# Altium PCB Velotour_2022_V1.0.PcbDoc (part 3 of 3)
Units mil, origin at the board's own origin, x right, y up, seen from the top; angles counter-clockwise.
Board outline 6692.91 x 4763.78 mil, 2 copper layers (Top Layer, Bottom Layer), stack 60.932 mil thick; 156 components, 71 nets, 485 pads, 733 vias.
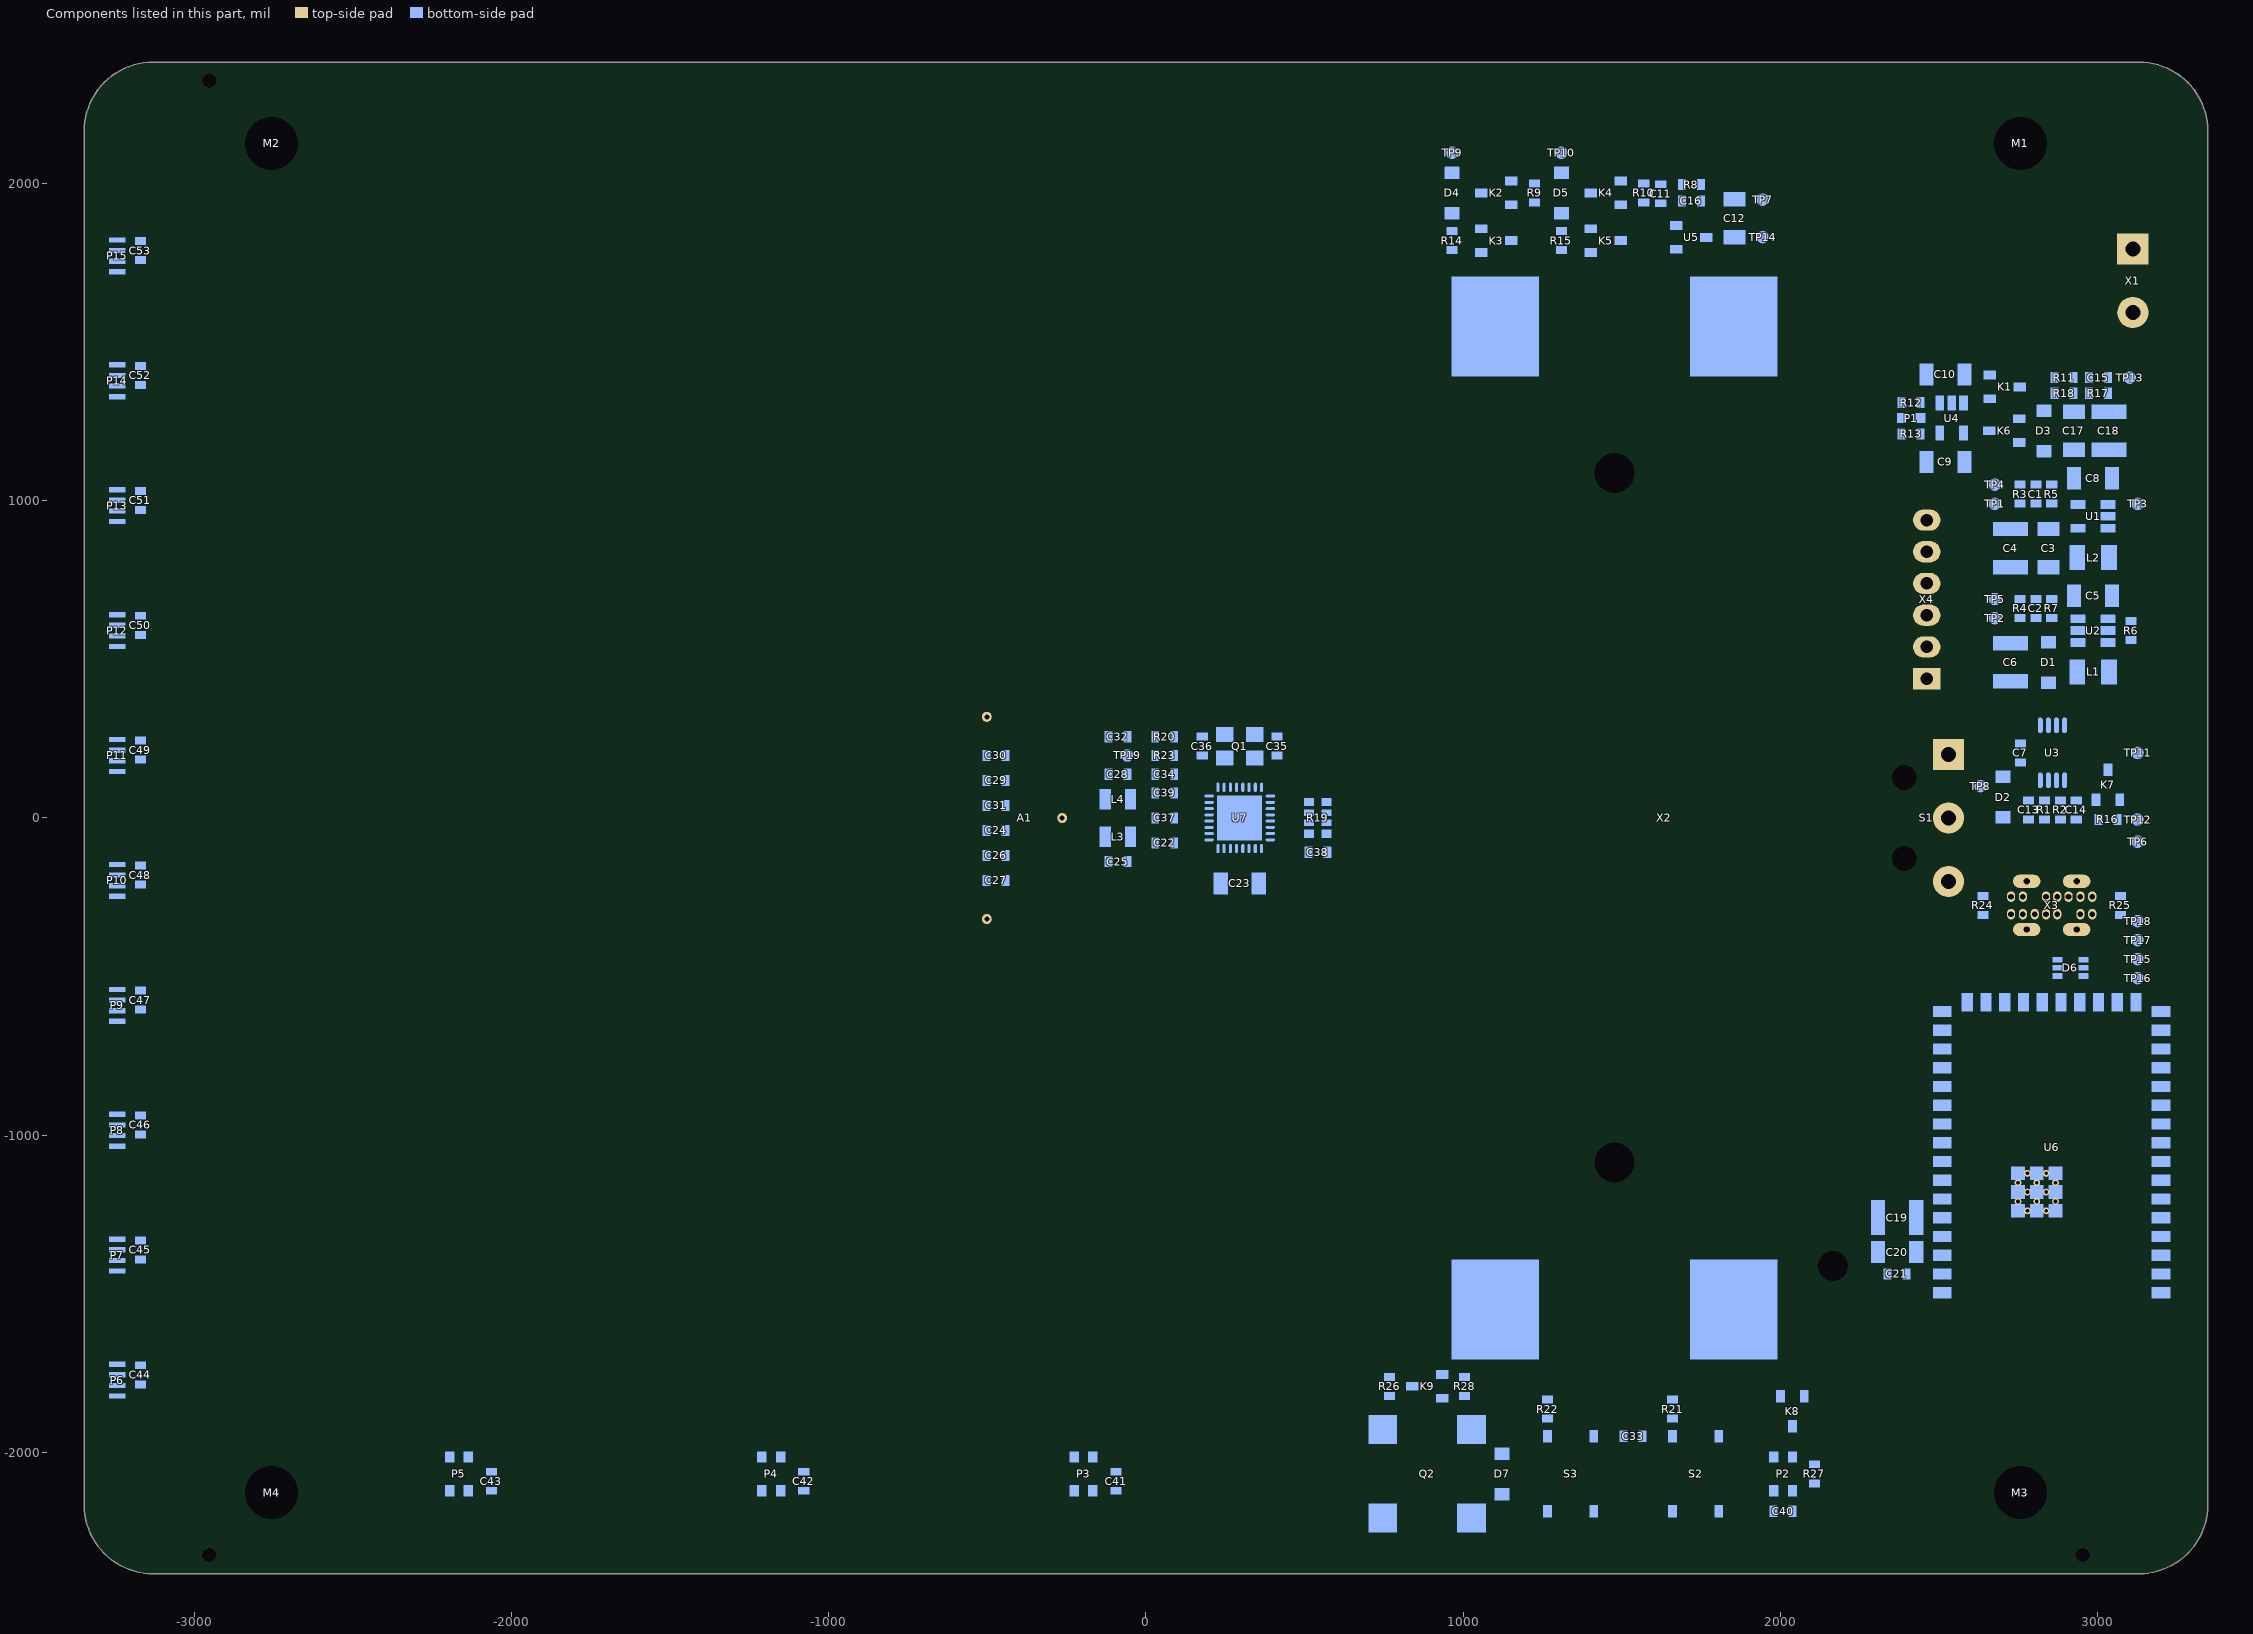
[diagram p3: the components of this part, seen from the top]

## Silkscreen, mask and mechanical layers (free items; w line width, h text height) (continued)
Mechanical 16:
  lines w5: -5593.7,-2440.95 -5393.7,-2440.95 ; -5593.7,-511.81 -5393.7,-511.81 ; -5593.7,1377.95 -5393.7,1377.95 ; -3109.25,-4330.71 -3109.25,-4130.71 ; -3109.25,3069.29 -3109.25,3269.29 ; -584.25,-4130.71 815.75,-4130.71 ; -234.25,-4330.71 -234.25,-4130.71 ; -234.25,3069.29 -234.25,3269.29 ; 815.75,-3830.71 5315.75,-3830.71 ; 815.75,-3530.71 5315.75,-3530.71 ; 815.75,-3230.71 2315.75,-3230.71 ; 2315.75,-4130.71 2315.75,-3530.71 2315.75,-2930.71 ; 2640.75,-4330.71 2640.75,-4130.71 ; 2640.75,3069.29 2640.75,3269.29 ; 4415.75,-4130.71 4415.75,-3530.71 ; 5315.75,-2430.71 5515.75,-2430.71 ; 5315.75,-530.71 5515.75,-530.71 ; 5315.75,1369.29 5515.75,1369.29 ; 815.75,-4130.71 815.75,-2930.71 2315.75,-2930.71 ; 815.75,-4130.71 5315.75,-4130.71 ; 2315.75,-2930.71 5315.75,-2930.71 5315.75,-4130.71 ; 5315.75,-4130.71 5315.75,3069.29 -5393.7,3070.87 -5393.7,-4133.86 5315.75,-4130.71 ; -5590.55,-4330.71 -5590.55,3267.72 5515.75,3269.29 5515.75,-4330.71 -5590.55,-4330.71
  text "1" at -4557.25,3134.29 h70
  text "2" at -1697.25,3134.29 h70
  text "3" at 1182.75,3134.29 h70
  text "4" at 4052.75,3134.29 h70
  text "A" at -5551.18,2244.09 h70
  text "A" at 5390.75,2228.29 h70
  text "B" at -5511.81,354.33 h70
  text "B" at 5390.75,336.29 h70
  text "C" at 5390.75,-1573.71 h70
  text "C" at -5511.81,-1574.8 h70
  text "ENGINEER:" at 865.75,-3030.71 h45
  text "TITLE:" at 2365.75,-3030.71 h45
  text "Florian Baumgartner" at 906.85,-3182.01 h70
  text "PCB DESIGNER:" at 865.75,-3325.71 h45
  text "Mailbox Game" at 2381.85,-3349.02 h157.48
  text "D" at 5390.75,-3463.71 h70
  text "D" at -5511.81,-3464.57 h70
  text "Florian Baumgartner" at 906.85,-3482.01 h70
  text "DATE:" at 865.75,-3630.71 h45
  text "PART NO.:" at 2365.75,-3630.71 h45
  text "REV:" at 4465.75,-3630.71 h45
  text "21.07.2022" at 915.75,-3750.71 h70
  text "1/1" at 2356.85,-3782.01 h70
  text "V1.0" at 4456.85,-3782.01 h70
  text "FILE NAME:" at 865.75,-3930.71 h45
  text "DWG NO:" at 2365.75,-3930.71 h45
  text "SCALE:" at 4465.75,-3930.71 h45
  text "Velotour_2022_V1.0.PcbDoc" at 906.85,-4057.01 h70
  text "1/1" at 2356.85,-4082.01 h70
  text "1:1" at 4456.85,-4082.01 h70
  text "1" at -4557.25,-4265.71 h70
  text "2" at -1697.25,-4265.71 h70
  text "3" at 1182.75,-4265.71 h70
  text "4" at 4052.75,-4265.71 h70

## Text inside footprints (layer, text, board x,y; h text height)
X2: Bottom Overlay "Li-Ion 18650" at 1970.47,511.81 h196.85 r90; Bottom Overlay "Li-Ion 18650" at 1218.5,511.81 h196.85 r90